# Altium PCB PCB2.PcbDoc (part 1 of 3) (continued)
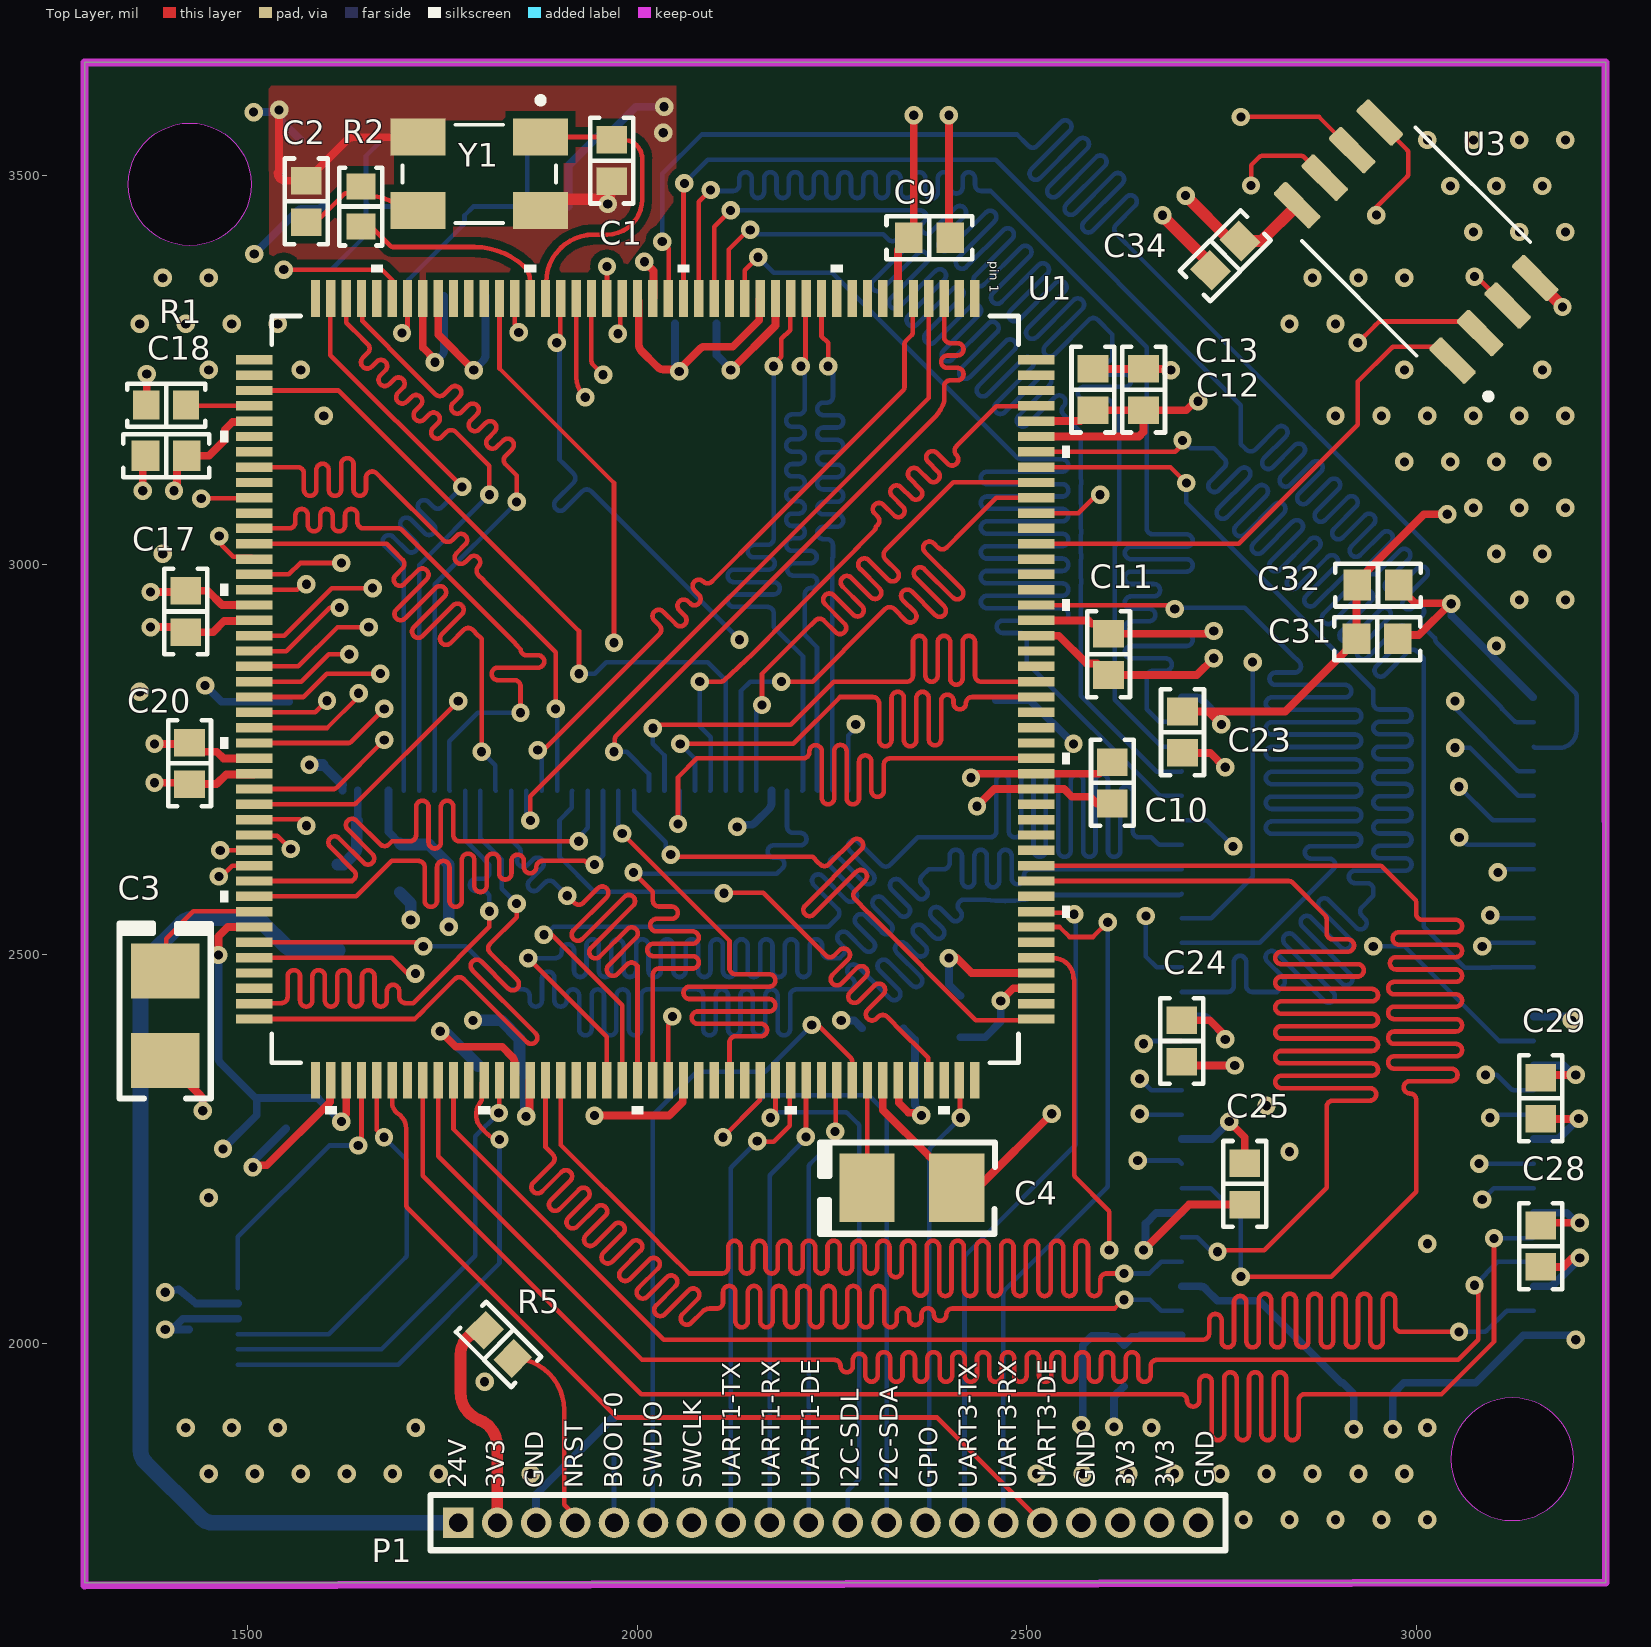
[diagram p0: Top Layer view]
## Footprints (in the part's own frame and the unit in brackets; to place one, negate y for a bottom-side part, rotate by r counter-clockwise, add the part's x,y. Pads: shape width x height; smd on the part's side, far side on the other; paste and mask are expansions set on the pad) (continued)
  rect 12x47 smd paste+0 mask+0: 45(-423.23,-501.97) 46(-403.54,-501.97) 47(-383.86,-501.97) 48(-364.17,-501.97) 49(-344.49,-501.97) 50(-324.8,-501.97) 51(-305.12,-501.97) 52(-285.43,-501.97) 53(-265.75,-501.97) 54(-246.06,-501.97) 55(-226.38,-501.97) 56(-206.69,-501.97) 57(-187.01,-501.97) 58(-167.32,-501.97) 59(-147.64,-501.97) 60(-127.95,-501.97) 61(-108.27,-501.97) 62(-88.58,-501.97) 63(-68.9,-501.97) 64(-49.21,-501.97) 65(-29.53,-501.97) 66(-9.84,-501.97) 67(9.84,-501.97) 68(29.53,-501.97) 69(49.21,-501.97) 70(68.9,-501.97) 71(88.58,-501.97) 72(108.27,-501.97) 73(127.95,-501.97) 74(147.64,-501.97) 75(167.32,-501.97) 76(187.01,-501.97) 77(206.69,-501.97) 78(226.38,-501.97) 79(246.06,-501.97) 80(265.75,-501.97) 81(285.43,-501.97) 82(305.12,-501.97) 83(324.8,-501.97) 84(344.49,-501.97) 85(364.17,-501.97) 86(383.86,-501.97) 87(403.54,-501.97) 88(423.23,-501.97) 133(423.23,501.97) 134(403.54,501.97) 135(383.86,501.97) 136(364.17,501.97) 137(344.49,501.97) 138(324.8,501.97) 139(305.12,501.97) 140(285.43,501.97) 141(265.75,501.97) 142(246.06,501.97) 143(226.38,501.97) 144(206.69,501.97) 145(187.01,501.97) 146(167.32,501.97) 147(147.64,501.97) 148(127.95,501.97) 149(108.27,501.97) 150(88.58,501.97) 151(68.9,501.97) 152(49.21,501.97) 153(29.53,501.97) 154(9.84,501.97) 155(-9.84,501.97) 156(-29.53,501.97) 157(-49.21,501.97) 158(-68.9,501.97) 159(-88.58,501.97) 160(-108.27,501.97) 161(-127.95,501.97) 162(-147.64,501.97) 163(-167.32,501.97) 164(-187.01,501.97) 165(-206.69,501.97) 166(-226.38,501.97) 167(-246.06,501.97) 168(-265.75,501.97) 169(-285.43,501.97) 170(-305.12,501.97) 171(-324.8,501.97) 172(-344.49,501.97) 173(-364.17,501.97) 174(-383.86,501.97) 175(-403.54,501.97) 176(-423.23,501.97)
  silkscreen extent -545,-545 545,545, body extent -512,-512 512,512, height 63
MHDR1X20 [mm] "Connector; Header; 20 Position"
  rect 1x1 hole 0.6: 1(0,0)
  round 1 hole 0.6: 2(1.27,0) 3(2.54,0) 4(3.81,0) 5(5.08,0) 6(6.35,0) 7(7.62,0) 8(8.89,0) 9(10.16,0) 10(11.43,0) 11(12.7,0) 12(13.97,0) 13(15.24,0) 14(16.51,0) 15(17.78,0) 16(19.05,0) 17(20.32,0) 18(21.59,0) 19(22.86,0) 20(24.13,0)
  silkscreen extent -0.9,-0.9 25.03,0.9
OSC_ABM3B-8.000MHZ-B2-T [mm]
  rect 1.2x1.8 smd: 1(-1.2,2) 2(-1.2,-2) 3(1.2,-2) 4(1.2,2)
  silkscreen extent -2.5,-2.5 1.6,2.5, body extent -1.65,-2.54 1.65,2.54, height 1.1
"RES 0603_1608" [mm] "Chip Resistor, 2-Leads, Body 1.60x0.80mm, IPC Medium Density"
  rect 0.85x0.95 smd: 1(-0.65,0) 2(0.65,0)
  silkscreen extent -1.27,-0.7 1.27,0.7, body extent -0.8,-0.4 0.8,0.4, height 0.45
"RES 0805_2012" [mm] "Chip Resistor, 2-Leads, Body 2.00x1.25mm, IPC Medium Density"
  rect 1.15x1.35 smd: 1(-0.875,0) 2(0.875,0)
  silkscreen extent -1.7,-0.9 1.7,0.9, body extent -1,-0.62 1,0.63, height 0.6
"RES 1206_3216" [mm] "Chip Resistor, 2-Leads, Body 3.13x1.55mm, IPC Medium Density"
  rect 1.2x1.65 smd: 1(-1.4,0) 2(1.4,0)
  silkscreen extent -2.3,-1.1 2.3,1.1, body extent -1.6,-0.8 1.6,0.8, height 0.6
sdram [mil]
  rect 47x20 smd paste+0 mask+0: 1(-221,409.45) 2(-221,377.95) 3(-221,346.46) 4(-221,314.96) 5(-221,283.46) 6(-221,251.97) 7(-221,220.47) 8(-221,188.98) 9(-221,157.48) 10(-221,125.98) 11(-221,94.49) 12(-221,62.99) 13(-221,31.5) 14(-221,0) 15(-221,-31.5) 16(-221,-62.99) 17(-221,-94.49) 18(-221,-125.98) 19(-221,-157.48) 20(-221,-188.98) 21(-221,-220.47) 22(-221,-251.97) 23(-221,-283.46) 24(-221,-314.96) 25(-221,-346.46) 26(-221,-377.95) 27(-221,-409.45) 28(231,-409.45) 29(231,-377.95) 30(231,-346.46) 31(231,-314.96) 32(231,-283.46) 33(231,-251.97) 34(231,-220.47) 35(231,-188.98) 36(231,-157.48) 37(231,-125.98) 38(231,-94.49) 39(231,-62.99) 40(231,-31.5) 41(231,0) 42(231,31.5) 43(231,62.99) 44(231,94.49) 45(231,125.98) 46(231,157.48) 47(231,188.98) 48(231,220.47) 49(231,251.97) 50(231,283.46) 51(231,314.96) 52(231,346.46) 53(231,377.95) 54(231,409.45)
  silkscreen extent -264,-446 274,446, body extent -231,-441 241,441, height 47
SOIC127P790X216-8N [mm]
  rrect25% 1.65x0.58 smd: 1(-3.585,1.905) 2(-3.585,0.635) 3(-3.585,-0.635) 4(-3.585,-1.905) 5(3.585,-1.905) 6(3.585,-0.635) 7(3.585,0.635) 8(3.585,1.905)
  silkscreen extent -5.33,-2.62 2.65,2.62, body extent -3.99,-2.62 3.99,2.62, height 2.16

## Part data
C1 C2: library part CC0603JRNPO0BN200, "CAP CER 20PF 100V C0G/NPO 0603", Part Number=CC0603JRNPO0BN200
C3 C4: library part T496B225M016ATE3K5, "CAP TANT 2.2UF 20% 16V 1411", Device Package="1411 (3528 Metric)", ESR (Equivalent Series Resistance)=3.5Ohm, Lifetime @ Temp.="2000 Hrs @ 85°C", Manufacturer=KEMET, Manufacturer Size Code=B, Operating Temperature="-55°C ~ 125°C", Supplier Part Number 1=399-3917-1-ND, Tolerance=±20%, Voltage - Rated=16V, Capacitance=2.2µF, ComponentLink1Description=Datasheet, ComponentLink1URL=https://api.kemet.com/component-edge/download/datasheet/T496B225M016ATE3K5.pdf, ComponentLink2Description="DigiKey Link", ComponentLink2URL=http://digikey.com/product-detail/en/kemet/T496B225M016ATE3K5/399-3917-1-ND/819242, Features="Fail Safe with Built-in Fuse", Height - Seated (Max)="0.083\" (2.10mm)", LastUpdated="9/2/2020 1:15:46 AM", Lifecycle Status=Active, Minimum Order=1, Mounting Type="Surface Mount", Package / Case="1411 (3528 Metric)", Packaging=TapeAndReel, Part Number=T496B225M016ATE3K5, Part Status=Active, PartId=12, Price=0.51, Series=T496, Size / Dimension="0.138\" L x 0.110\" W (3.50mm x 2.80mm)", Supplier 1=DigiKey, Type=Molded
C5 C7 C8 C9 C10 C11 C12 C13 C14 C16 C17 C18 C19 C20 C22 C23 C24 C25 C26 C27 C28 C29 C31 C32 C33 C34: library part 6R3X14W104MV4T, "CAP CER 0.1UF 6.3V X7R 0603", Part Number=6R3X14W104MV4T
C6 C15: library part T494A105M016AT, "CAP TANT 1UF 20% 16V 1206", Device Package="1206 (3216 Metric)", ESR (Equivalent Series Resistance)=6Ohm, Lifetime @ Temp.="2000 Hrs @ 125°C", Manufacturer=KEMET, Manufacturer Size Code=A, Operating Temperature="-55°C ~ 125°C", Supplier Part Number 1=399-8429-1-ND, Tolerance=±20%, Voltage - Rated=16V, Capacitance=1µF, ComponentLink1Description=Datasheet, ComponentLink1URL=https://api.kemet.com/component-edge/download/datasheet/T494A105M016AT.pdf, ComponentLink2Description="DigiKey Link", ComponentLink2URL=http://digikey.com/product-detail/en/kemet/T494A105M016AT/399-8429-1-ND/3472152, Features="General Purpose", Height - Seated (Max)="0.071\" (1.80mm)", LastUpdated="9/2/2020 1:15:52 AM", Lifecycle Status=Active, Minimum Order=1, Mounting Type="Surface Mount", Package / Case="1206 (3216 Metric)", Packaging=TapeAndReel, Part Number=T494A105M016AT, Part Status=Active, PartId=2393, Price=0.20, Series=T494, Size / Dimension="0.126\" L x 0.063\" W (3.20mm x 1.60mm)", Supplier 1=DigiKey, Type=Molded
C21: library part C0603C475K9PACTU, "CAP CER 4.7UF 6.3V X5R 0603", Part Number=C0603C475K9PACTU
C30: library part CL21A106MQFNNNE, "CAP CER 10UF 6.3V X5R 0805", Device Package="0805 (2012 Metric)", Manufacturer="Samsung Electro-Mechanics", Operating Temperature="-55°C ~ 85°C", Supplier Part Number 1=1276-1298-1-ND, Temperature Coefficient=X5R, Tolerance=±20%, Voltage - Rated=6.3V, Applications="General Purpose", Capacitance=10µF, ComponentLink1Description=Datasheet, ComponentLink1URL=http://www.samsungsem.com/kr/support/product-search/mlcc/CL21A106MQFNNNE.jsp, ComponentLink2Description="DigiKey Link", ComponentLink2URL=http://digikey.com/product-detail/en/samsung-electro-mechanics/CL21A106MQFNNNE/1276-1298-1-ND/3889384, LastUpdated="9/2/2020 1:04:40 AM", Lifecycle Status=Active, Minimum Order=1, Mounting Type="Surface Mount, MLCC", Package / Case="0805 (2012 Metric)", Packaging=TapeAndReel, Part Number=CL21A106MQFNNNE, Part Status=Active, PartId=3169, Price=0.02, Series=CL, Size / Dimension="0.079\" L x 0.049\" W (2.00mm x 1.25mm)", Supplier 1=DigiKey, Thickness (Max)="0.053\" (1.35mm)"
J1: library part "LCD Connector", "40 Position FFC, FPC Connector Contacts, Bottom 0.020\" (0.50mm) Surface Mount, Right Angle", Package=None, Availability=Unavailable, Digikey_Link=https://www.digikey.com/en/products/detail/amphenol-icc-fci/F305-1A7H1-11040-E100/11564644, MF="Amphenol ICC (FCI)", MP=F305-1A7H1-11040-E100, Price=None
J2: "0.5mm Side entry Flat Flexible Cable Connector", Package=None, Availability="In Stock", Check_prices=https://www.snapeda.com/parts/FFC2B35-06-G/Global+Connector+Technology/view-part/?ref=eda, MF="Global Connector Technology", MP=FFC2B35-06-G, Price=None, Purchase-URL=https://pricing.snapeda.com/search/part/FFC2B35-06-G/?ref=eda, SnapEDA_Link=https://www.snapeda.com/parts/FFC2B35-06-G/Global+Connector+Technology/view-part/?ref=snap
P1: "Header, 20-Pin", LatestRevisionDate=17-Jul-2002, LatestRevisionNote="Re-released for DXP Platform.", Publisher="Altium Limited"
R1 R5 R6: library part CRCW060310K0FKEAHP, "RES SMD 10K OHM 1% 1/4W 0603", Part Number=CRCW060310K0FKEAHP
R2: library part CRCW0603220RJNEAHP, "RES SMD 220 OHM 5% 1/4W 0603", Part Number=CRCW0603220RJNEAHP
R3: library part CRGP0805F47R, "CRGP 0805 47R 1%", Device Package="0805 (2012 Metric)", Manufacturer="TE Connectivity Passive Product", Operating Temperature="-55°C ~ 155°C", Power (Watts)="0.333W, 1/3W", Supplier Device Package=0805, Supplier Part Number 1=A130461CT-ND, Temperature Coefficient=±200ppm/°C, Tolerance=±1%, ComponentLink1Description=Datasheet, ComponentLink1URL=https://www.te.com/commerce/DocumentDelivery/DDEController?Action=srchrtrv&DocNm=9-1773463-9&DocType=DS&DocLang=English, ComponentLink2Description="DigiKey Link", ComponentLink2URL=http://digikey.com/product-detail/en/te-connectivity-passive-product/CRGP0805F47R/A130461CT-ND/8578293, Composition="Thick Film", Features="Pulse Withstanding", Height - Seated (Max)="0.026\" (0.65mm)", LastUpdated="9/2/2020 1:15:22 AM", Lifecycle Status=Active, Minimum Order=1, Number of Terminations=2, Package / Case="0805 (2012 Metric)", Packaging=TapeAndReel, Part Number=CRGP0805F47R, Part Status=Active, PartId=28763, Price=0.02, Resistance="47 Ohms", Series=CRGP, Size / Dimension="0.079\" L x 0.049\" W (2.00mm x 1.25mm)", Supplier 1=DigiKey
R4: library part CRG1206F100R, "RES SMD 100 OHM 1% 1/4W 1206", Device Package="1206 (3216 Metric)", Manufacturer="TE Connectivity Passive Product", Operating Temperature="-55°C ~ 155°C", Power (Watts)="0.25W, 1/4W", Supplier Device Package=1206, Supplier Part Number 1=A106068CT-ND, Temperature Coefficient=±200ppm/°C, Tolerance=±1%, ComponentLink1Description=Datasheet, ComponentLink1URL=https://www.te.com/commerce/DocumentDelivery/DDEController?Action=srchrtrv&DocNm=1773204&DocType=DS&DocLang=English, ComponentLink2Description="DigiKey Link", ComponentLink2URL=http://digikey.com/product-detail/en/te-connectivity-passive-product/CRG1206F100R/A106068CT-ND/3477719, Composition="Thick Film", Height - Seated (Max)="0.026\" (0.65mm)", LastUpdated="9/2/2020 1:13:10 AM", Lifecycle Status=Active, Minimum Order=1, Number of Terminations=2, Package / Case="1206 (3216 Metric)", Packaging=TapeAndReel, Part Number=CRG1206F100R, Part Status=Active, PartId=26991, Price=0.01, Resistance="100 Ohms", Series="CRG, Neohm", Size / Dimension="0.122\" L x 0.061\" W (3.10mm x 1.55mm)", Supplier 1=DigiKey
U1: "No Description Available", Built_By=EMA_Jessica, Copyright="Copyright (C) 2018 Accelerated Designs. All rights reserved", Manufacturer_Part_Number=STM32F746IGT6, RefDes=RefDes, SourceLibrary=Add_to_database_2020-10-19, Type=DEV, Vendor=STMicroelectronics
U2: "No Description AvailablSDRAM Memory IC 64Mb (4M x 16) Parallel 143 MHz 5.4 ns 54-TSOP IIe", Built_By=EMA_Cory, ComponentLink1Description="New link", ComponentLink1URL=https://www.digikey.be/en/products/detail/issi-integrated-silicon-solution-inc/IS42S16400J-7TL/2708623, Copyright="Copyright (C) 2018 Accelerated Designs. All rights reserved", Datasheet=http://www.issi.com/WW/pdf/42-45S16400J.pdf, Manufacturer_Part_Number=IS42S16400J-7TL, RefDes=RefDes, SourceLibrary=Add_to_database_2020-12-24, Type=DEV, Vendor=ISSI
U3: "128 Mbit Serial NOR Flash Memory with Dual and Quad I/O Support", Package="SOIC-8 Dialog Semiconductor", Availability=Warning, Check_prices=https://www.snapeda.com/parts/AT25SF128A-SHB-T/Dialog%20Semiconductor/view-part/5488499/?ref=eda, MF="Dialog Semiconductor", MP=AT25SF128A-SHB-T, Price=None, Purchase-URL=https://pricing.snapeda.com/search/part/AT25SF128A-SHB-T/?ref=eda, SnapEDA_Link=https://www.snapeda.com/parts/AT25SF128A-SHB-T/Dialog%20Semiconductor/view-part/5488499/?ref=snap
Y1: "8MHz Â±20ppm Crystal 18pF 200 Ohms 4-SMD, No Lead", Package="SMD-4 Abracon LLC", Availability=Good, Check_prices=https://www.snapeda.com/parts/ABM3B-8.000MHZ-B2-T/Abracon%20LLC/view-part/42698/?ref=eda, MF=Abracon, MP=ABM3B-8.000MHZ-B2-T, Price=None, Purchase-URL=https://pricing.snapeda.com/search/part/ABM3B-8.000MHZ-B2-T/?ref=eda, SnapEDA_Link=https://www.snapeda.com/parts/ABM3B-8.000MHZ-B2-T/Abracon%20LLC/view-part/42698/?ref=snap

## Via types
v1: diameter 23.62, hole 11.81, Top Layer to Bottom Layer, tented both sides, 264 vias

## Nets (pads, with @x,y where several pads share a name; then routed paths per layer and width w, separated by ;. In a path a pad name is that pad's centre, name@x,y a point inside that pad or via, vN(x,y) a via of type N, cw(c..) or ccw(c..) an arc to the next point about the centre after c; other vN are vias at no path point)
3V3: C5.2 C7.2 C8.2 C9.2 C10.2 C11.2 C12.2 C13.2 C14.2 C17.2 C18.2 C19.2 C20.2 C21.2 C23.2 C24.2 C25.2 C26.2 C27.2 C28.2 C29.2 C30.2 C31.2 C32.2 C33.1 C34.1 J1.4 J2.2 P1.2 P1.18 P1.19 R5.2 U1.6 U1.15 U1.23 U1.36 U1.49 U1.62 U1.72 U1.82 U1.91 U1.103 U1.127 U1.136 U1.149 U1.159 U1.171 U1.172 U2.1 U2.3 U2.9 U2.14 U2.27 U2.43 U2.49 U3.8 | length 5602.5
  Top Layer w10: v1(1375,2920) 1413.43,2920 C17.2@1420,2913.43 1455.03,2913.43 1469.53,2927.93 1507.38,2927.93 U1.62@1508.03,2928.58 ; v1(1380,2720) 1423.43,2720 C20.2@1425,2718.43 1459.69,2718.43 1471.99,2730.73 1507.03,2730.73 U1.72@1508.03,2731.73 ; v1(1405,3095) 1405,3098.69 1408.86,3102.54 1408.86,3127.28 C18.2@1421.57,3140 1450,3140 1470.28,3160.28 1470.28,3173.52 1480.25,3183.49 1507.03,3183.49 U1.49@1508.03,3184.49 ; v1(1462,2499) 1462,2522.76 1474.12,2534.88 U1.82@1508.03,2534.88 ; v1(1620,2285) 1620,2288.69 1626.14,2294.83 U1.91@1626.14,2338.03 ; U1.36@1744.25,3341.97 1744.25,3295.75 v1(1790,3250) ; v1(1857.08,2291.74) 1861.36,2296.02 1861.36,2337.03 U1.103@1862.36,2338.03 ; U1.23@2000.19,3341.94 2000.37,3341.63 cw(c1991.84,3336.41) 2001.84,3336.41 2001.84,3282.26 ccw(c2011.84,3282.3) 2004.77,3275.23 2026.16,3253.84 ccw(c2033.21,3260.93) 2033.21,3250.93 v1@2051.07,3250.93 ; v1@2057,3254 2080.05,3277.05 cw(c2087.14,3270) 2087.1,3280 ; 2087.14,3280 2122.45,3280 2156.64,3314.18 2156.64,3340.97 U1.15@2157.64,3341.97 ; U1.127@2334.8,2338.03 2335.52,2337.31 2335.52,2309.16 2348.3,2296.39 2361.29,2296.39 v1(2364.68,2293) ; U1.6@2334.8,3341.97 2334.8,3404.41 2348.43,3418.03 C9.2@2348.43,3420 2355,3426.57 v1(2355,3577.32) ; v1(2400,2495) 2410,2495 2429.17,2475.83 U1.136@2511.97,2475.83 ; v1(2428.42,2726.64) 2432.11,2726.64 2437.2,2731.73 U1.149@2511.97,2731.73 2593.19,2731.73 2608.03,2746.57 C10.2@2610,2746.57 ; U1.159@2511.97,2928.58 2579.17,2928.58 2583.46,2924.29 2592.28,2924.29 C11.2@2605,2911.57 2732.89,2911.57 2736.31,2915 v1(2740,2915) ; U1.171@2511.97,3164.8 2644.14,3164.8 2650,3170.66 C13.2@2650,3198.43 ; U1.172@2511.97,3184.49 2569.09,3184.49 2583.03,3198.43 C12.2@2585,3198.43 C13.2@2650,3198.43 ; C24.2@2699,2415.08 2734.92,2415.08 2755,2395 v1(2755,2390.6) ; C23.2@2700,2811.57 2733.43,2811.57 ; v1(2720,3210) 2716.31,3210 2704.74,3198.43 C13.2@2650,3198.43 ; v1(2750,2795) 2733.43,2811.57 ; v1(2760,2285) 2780,2265 C25.2@2780,2231.57 ; v1(3040,3065) 3010,3065 2923.43,2978.43 C31.2@2923.43,2905 2923.43,2903.03 2831.97,2811.57 2733.43,2811.57 ; C28.2@3160,2151.57 3163.43,2155 v1(3210,2155) ; C29.2@3160,2341.57 3163.43,2345 v1(3205,2345)
  Top Layer w15: R5.2@1803.9,2017.1 ccw(c1803.9,1986.19) 1773,1986.19 1773,1936.89 1773,1936.81 ccw(c1810.25,1936.81) 1797.13,1901.95 cw(c1784.48,1868.76) 1820,1868.76 P1.2@1820,1770 ; v1(2704,3474) 2762.21,3415.79 C34.1@2773.79,3415.79 2775.18,3414.4 2789.63,3414.4 2791.02,3415.79 2801.19,3415.79 U3.8@2847.16,3461.77
  Bottom Layer w10: v1(1393.81,2065.78) 1410.84,2069.7 1433.16,2051.53 J2.2@1487.05,2051.53 ; v1(1462,2499) 1462,2367.14 ccw(c1472,2367.14) 1464.93,2360.07 C19.2@1511.21,2313.79 ; v1(1468,2250) 1511.21,2293.21 C19.2@1511.21,2313.79 ; v1(1620,2285) 1589.82,2315.18 1512.6,2315.18 C19.2@1511.21,2313.79 ; J1.4@1680.35,2710 1680.35,2657.14 C30.2@1695,2642.5 ; v1(1790,3250) 1802.07,3262.07 ccw(c1795,3269.14) 1805,3269.14 C26.2@1805,3345 ; C14.2@2048.43,3310 2048.43,3253.57 v1(2053.71,3248.29) ; C7.2@2341.57,2405 2356.33,2390.25 2356.33,2306.14 2364.68,2297.79 v1(2364.68,2293) ; v1(2400,2495) 2400,2461.33 2414.75,2446.57 C8.2@2415,2446.57 ; v1(2570,1895) 2570,1897.33 2571.87,1899.2 2571.87,1997.93 2583.72,2009.78 2604.03,2009.78 2605.44,2008.37 2614.78,2008.37 C5.2@2625,1998.15 2635.22,2008.37 2644.56,2008.37 2646.74,2010.55 U2.1@2699,2010.55 ; U2.3@2699,2073.54 ccw(c2699.33,2083.54) 2699.33,2073.54 2722.28,2073.54 cw(c2722.32,2063.54) 2729.39,2070.61 2745,2055 2798.43,2055 2903.74,1949.69 2905.71,1949.69 2918.43,1936.97 C27.2@2918.43,1935 2920,1933.43 v1(2920,1890) ; U2.9@2699,2262.52 2737.52,2262.52 v1(2760,2285) ; U2.14@2699,2420 2725.86,2420 cw(c2725.86,2410) 2732.93,2417.07 2755,2395 v1(2755,2390.6) ; U2.27@2699,2829.45 2718.07,2829.45 cw(c2718.07,2819.45) 2725.15,2826.52 v1@2747.39,2804.27 ; U2.49@3151,2168.03 3193.28,2168.03 3206.31,2155 v1(3210,2155) ; U2.43@3151,2357.01 3189.5,2357.01 3201.51,2345 v1(3205,2345)
  Bottom Layer w15: C30.2@1695,2642.5 1696.73,2640.77 1732.4,2640.77 1758,2615.17 v1(1758,2535) ; v1(1789,2415) 1825,2415 1848.57,2391.43 C21.2@1848.57,2356 1852.69,2351.89 cw(c1842.08,2341.28) 1857.08,2341.28 1857.08,2304.84 v1(1857.08,2291.74)
24V0: P1.1 R4.1 | length 1365.1
  Bottom Layer w20: R4.1@1615,2504.88 1562.4,2504.88 cw(c1562.4,2524.88) 1548.26,2510.74 1518.86,2540.14 ccw(c1504.72,2526) 1504.72,2546 1429.28,2546 ccw(c1429.28,2526) 1415.14,2540.14 1367.86,2492.86 ccw(c1382,2478.72) 1362,2478.72 1362,1862.28 ccw(c1382,1862.28) 1367.86,1848.14 1440.14,1775.86 ccw(c1454.28,1790) 1454.28,1770 P1.1@1770,1770
A0: U1.16 U2.23 | length 2478
  Top Layer w5.93: U1.16@2137.95,3341.97 2137.95,3377.95 v1(2155,3395)
  Bottom Layer w5.93: v1(2155,3395) 2175,3375 2250,3375 2482.63,3142.37 2485.6,3139.4 2485.63,3139.37 ccw(c2495.21,3149.02) 2495.21,3135.42 2545.56,3135.42 cw(c2545.56,3127.46) 2545.56,3119.49 2448.96,3119.49 ccw(c2448.96,3111.53) 2448.96,3103.57 2545.56,3103.57 cw(c2545.56,3095.6) 2545.56,3087.64 2448.96,3087.64 ccw(c2448.96,3079.67) 2448.96,3071.71 2545.56,3071.71 cw(c2545.56,3063.75) 2545.56,3055.78 2448.96,3055.78 ccw(c2448.96,3047.82) 2448.96,3039.86 2545.56,3039.86 cw(c2545.56,3031.89) 2545.56,3023.93 2448.96,3023.93 ccw(c2448.96,3015.96) 2448.96,3008 2545.56,3008 cw(c2545.56,3000.04) 2545.56,2992.07 2448.96,2992.07 ccw(c2448.96,2984.11) 2448.96,2976.14 2545.56,2976.14 cw(c2545.56,2968.18) 2545.56,2960.22 2448.96,2960.22 ccw(c2448.96,2952.25) 2448.96,2944.29 2545.56,2944.29 cw(c2545.56,2936.32) 2545.56,2928.36 2469.42,2928.36 ccw(c2469.42,2920.4) 2469.42,2912.43 2492.04,2912.43 cw(c2492.04,2904.47) 2500,2904.47 2500,2880 2500,2874.35 2669.15,2705.2 ccw(c2673.34,2709.39) 2673.34,2703.46 U2.23@2699,2703.46
A1: U1.17 U2.24 | length 2479.2
  Top Layer w5.93: U1.17@2118.27,3341.97 2117.55,3342.69 2117.55,3404.89 2142.66,3430 v1(2145,3430)
  Bottom Layer w5.93: v1(2145,3430) 2145.72,3429.28 2149.24,3429.28 2154.28,3424.24 2195.24,3424.24 2195.28,3424.28 2315.72,3424.28 2320,3420 2322.1,3417.9 ccw(c2327.73,3423.54) 2333.36,3417.9 2337.71,3422.25 cw(c2343.34,3416.62) 2348.97,3422.25 cw(c2343.34,3416.62) 2348.97,3410.99 2302.9,3364.92 ccw(c2308.53,3359.29) 2302.9,3353.66 ccw(c2308.53,3359.29) 2314.16,3353.66 2360.23,3399.73 cw(c2365.87,3394.1) 2371.5,3399.73 cw(c2365.87,3394.1) 2371.5,3388.47 2325.43,3342.4 ccw(c2331.06,3336.77) 2325.43,3331.13 ccw(c2331.06,3336.77) 2336.69,3331.13 2382.76,3377.2 cw(c2388.39,3371.57) 2394.02,3377.2 cw(c2388.39,3371.57) 2394.02,3365.94 2347.95,3319.87 ccw(c2353.58,3314.24) 2347.95,3308.61 ccw(c2353.58,3314.24) 2359.22,3308.61 2405.29,3354.68 cw(c2410.92,3349.05) 2416.55,3354.68 cw(c2410.92,3349.05) 2416.55,3343.42 2370.48,3297.35 ccw(c2376.11,3291.71) 2370.48,3286.08 ccw(c2376.11,3291.71) 2381.74,3286.08 2427.81,3332.15 cw(c2433.44,3326.52) 2439.07,3332.15 cw(c2433.44,3326.52) 2439.07,3320.89 2393,3274.82 ccw(c2398.63,3269.19) 2393,3263.56 ccw(c2398.63,3269.19) 2404.27,3263.56 2450.34,3309.63 cw(c2455.97,3304) 2461.6,3309.63 cw(c2455.97,3304) 2461.6,3298.37 2415.53,3252.3 ccw(c2421.16,3246.66) 2415.53,3241.03 ccw(c2421.16,3246.66) 2426.79,3241.03 2472.86,3287.1 cw(c2478.49,3281.47) 2484.12,3287.1 cw(c2478.49,3281.47) 2484.12,3275.84 2438.05,3229.77 ccw(c2443.69,3224.14) 2438.05,3218.51 ccw(c2443.69,3224.14) 2449.32,3218.51 2495.39,3264.58 cw(c2501.02,3258.95) 2506.65,3264.58 cw(c2501.02,3258.95) 2506.65,3253.31 2460.58,3207.24 ccw(c2466.21,3201.61) 2460.58,3195.98 ccw(c2466.21,3201.61) 2471.84,3195.98 2517.91,3242.05 cw(c2523.54,3236.42) 2529.17,3242.05 cw(c2523.54,3236.42) 2529.17,3230.79 2489.44,3191.06 ccw(c2495.07,3185.42) 2489.44,3179.79 ccw(c2495.07,3185.42) 2500.7,3179.79 2536.09,3215.18 cw(c2541.72,3209.55) 2547.35,3215.18 cw(c2541.72,3209.55) 2547.35,3203.91 ccw(c2552.98,3198.28) 2547.35,3192.65 2561.62,3178.38 2563.71,3176.29 2569.45,3170.55 2569.45,3111.18 cw(c2546.11,3106.11) 2569.45,3101.03 2569.45,3079.33 cw(c2546.11,3074.25) 2569.45,3069.18 2569.45,3047.47 cw(c2546.11,3042.4) 2569.45,3037.32 2569.45,3015.62 cw(c2546.11,3010.54) 2569.45,3005.47 2569.45,2983.76 cw(c2546.11,2978.69) 2569.45,2973.61 2569.45,2951.9 cw(c2546.11,2946.83) 2569.45,2941.75 2569.45,2831.68 2666.9,2734.24 2698.28,2734.24 U2.24@2699,2734.96
A2: U1.18 U2.25 | length 2483.8
  Top Layer w5.93: U1.18@2098.58,3341.97 2098.58,3433.81 v1(2119.77,3455)
  Bottom Layer w5.93: v1(2119.77,3455) 2350.14,3455 2363.26,3455 cw(c2363.26,3447.04) 2368.89,3441.4 2366.25,3438.76 ccw(c2371.88,3433.13) 2366.25,3427.5 ccw(c2371.88,3433.13) 2377.51,3427.5 2408.46,3458.44 cw(c2414.09,3452.81) 2419.72,3458.44 cw(c2414.09,3452.81) 2419.72,3447.18 2388.78,3416.24 ccw(c2394.41,3410.61) 2388.78,3404.97 ccw(c2394.41,3410.61) 2400.04,3404.97 2447.4,3452.33 cw(c2453.03,3446.7) 2458.66,3452.33 cw(c2453.03,3446.7) 2458.66,3441.07 2411.3,3393.71 ccw(c2416.93,3388.08) 2411.3,3382.45 ccw(c2416.93,3388.08) 2422.57,3382.45 2469.92,3429.81 cw(c2475.55,3424.17) 2481.18,3429.81 cw(c2475.55,3424.17) 2481.19,3418.54 2433.83,3371.19 ccw(c2439.46,3365.55) 2433.83,3359.92 ccw(c2439.46,3365.55) 2445.09,3359.92 2492.45,3407.28 cw(c2498.08,3401.65) 2503.71,3407.28 cw(c2498.08,3401.65) 2503.71,3396.02 2456.35,3348.66 ccw(c2461.98,3343.03) 2456.35,3337.4 ccw(c2461.98,3343.03) 2467.62,3337.4 2514.97,3384.76 cw(c2520.6,3379.12) 2526.24,3384.76 cw(c2520.6,3379.12) 2526.24,3373.49 2478.88,3326.14 ccw(c2484.51,3320.5) 2478.88,3314.87 ccw(c2484.51,3320.5) 2490.14,3314.87 2537.5,3362.23 cw(c2543.13,3356.6) 2548.76,3362.23 cw(c2543.13,3356.6) 2548.76,3350.97 2501.4,3303.61 ccw(c2507.04,3297.98) 2501.4,3292.35 ccw(c2507.04,3297.98) 2512.67,3292.35 2560.02,3339.7 cw(c2565.66,3334.07) 2571.29,3339.7 cw(c2565.65,3334.07) 2571.29,3328.44 2523.93,3281.09 ccw(c2529.56,3275.45) 2523.93,3269.82 ccw(c2529.56,3275.45) 2535.19,3269.82 2579.89,3314.52 cw(c2585.52,3308.89) 2591.15,3314.52 2610,3295.68 2610,3283.92 2610,3268.23 cw(c2602.04,3268.23) 2602.04,3260.27 ccw(c2602.04,3252.31) 2602.04,3244.34 2626.04,3244.34 cw(c2626.04,3236.38) 2626.04,3228.41 2573.57,3228.41 ccw(c2573.57,3220.45) 2573.57,3212.49 2602.04,3212.49 cw(c2602.04,3204.52) 2610,3204.52 2610,3201.56 2619,3192.55 2619,3029.84 2613,3023.83 2613,2826.84 2671.65,2768.19 ccw(c2675.84,2772.38) 2675.84,2766.46 U2.25@2699,2766.46
A3: U1.19 U2.26 | length 2478.1
  Top Layer w5.93: U1.19@2078.9,3341.97 2078.9,3466.16 v1(2094,3481.25)
  Bottom Layer w5.93: v1(2094,3481.25) 2095.25,3480 2120,3480 2122.96,3480 ccw(c2122.96,3487.96) 2130.93,3487.96 2130.93,3496.11 cw(c2138.89,3496.11) 2146.86,3496.11 2146.86,3478.89 ccw(c2154.82,3478.89) 2162.78,3478.89 2162.78,3496.11 cw(c2170.75,3496.11) 2178.71,3496.11 2178.71,3478.89 ccw(c2186.68,3478.89) 2194.64,3478.89 2194.64,3496.11 cw(c2202.6,3496.11) 2210.57,3496.11 2210.57,3478.89 ccw(c2218.53,3478.89) 2226.5,3478.89 2226.5,3496.11 cw(c2234.46,3496.11) 2242.42,3496.11 2242.42,3478.89 ccw(c2250.39,3478.89) 2258.35,3478.89 2258.35,3496.11 cw(c2266.31,3496.11) 2274.28,3496.11 2274.28,3478.89 ccw(c2282.24,3478.89) 2290.21,3478.89 2290.21,3496.11 cw(c2298.17,3496.11) 2306.13,3496.11 2306.13,3478.89 ccw(c2314.1,3478.89) 2322.06,3478.89 2322.06,3496.11 cw(c2330.03,3496.11) 2337.99,3496.11 2337.99,3478.89 ccw(c2345.95,3478.89) 2353.92,3478.89 2353.92,3496.11 cw(c2361.88,3496.11) 2369.85,3496.11 2369.85,3478.23 ccw(c2377.81,3478.23) 2385.77,3478.23 2385.77,3496.11 cw(c2393.74,3496.11) 2401.7,3496.11 2401.7,3484.67 ccw(c2409.66,3484.67) 2417.63,3484.67 2417.63,3496.11 cw(c2425.59,3496.11) 2433.56,3496.11 2433.56,3487.96 ccw(c2441.52,3487.96) 2441.52,3480 2453.52,3480 2654.06,3279.46 2654.06,3050 2654.06,3047.04 ccw(c2662.02,3047.04) 2662.02,3039.07 2705.09,3039.07 cw(c2705.09,3031.11) 2705.09,3023.14 2633.89,3023.14 ccw(c2633.89,3015.18) 2633.89,3007.22 2705.09,3007.22 cw(c2705.09,2999.25) 2705.09,2991.29 2633.89,2991.29 ccw(c2633.89,2983.32) 2633.89,2975.36 2663.25,2975.36 cw(c2663.25,2967.4) 2663.25,2959.43 2633.89,2959.43 ccw(c2633.89,2951.47) 2633.89,2943.5 2657.26,2943.5 cw(c2657.26,2935.54) 2657.26,2927.58 2633.89,2927.58 ccw(c2633.89,2919.61) 2633.89,2911.65 2705.09,2911.65 cw(c2705.09,2903.69) 2705.09,2895.72 2633.89,2895.72 ccw(c2633.89,2887.76) 2633.89,2879.79 2678.27,2879.79 cw(c2678.27,2871.83) 2678.27,2863.87 2662.02,2863.87 ccw(c2662.02,2855.9) 2654.06,2855.9 2654.06,2825 2654.06,2814.38 2670.08,2798.35 2698.6,2798.35 U2.26@2699,2797.95
A4: U1.20 U2.29 | length 2481.1
  Top Layer w5.93: U1.20@2059.21,3341.97 2059.21,3488.57 v1(2060.37,3489.73)
  Bottom Layer w5.93: v1(2060.37,3489.73) 2090.64,3520 2460,3520 2775,3205 2775,3155 2780,3150 2782.1,3147.9 ccw(c2787.73,3153.54) 2793.36,3147.9 2821.32,3175.86 cw(c2826.95,3170.23) 2832.58,3175.86 cw(c2826.95,3170.23) 2832.58,3164.6 2804.51,3136.53 ccw(c2810.15,3130.9) 2804.51,3125.27 ccw(c2810.15,3130.9) 2815.78,3125.27 2843.84,3153.34 cw(c2849.47,3147.7) 2855.1,3153.34 cw(c2849.47,3147.7) 2855.1,3142.07 2826.96,3113.93 ccw(c2832.59,3108.3) 2826.96,3102.67 ccw(c2832.59,3108.3) 2838.22,3102.67 2866.37,3130.81 cw(c2872,3125.18) 2877.63,3130.81 cw(c2872,3125.18) 2877.63,3119.55 2849.44,3091.36 ccw(c2855.07,3085.73) 2849.44,3080.1 ccw(c2855.07,3085.73) 2860.7,3080.1 2888.89,3108.28 cw(c2894.52,3102.65) 2900.15,3108.28 cw(c2894.52,3102.65) 2900.15,3097.02 2871.95,3068.82 ccw(c2877.58,3063.19) 2871.95,3057.56 ccw(c2877.58,3063.19) 2883.22,3057.56 2911.42,3085.76 cw(c2917.05,3080.13) 2922.68,3085.76 cw(c2917.05,3080.13) 2922.68,3074.5 2894.5,3046.32 ccw(c2900.13,3040.68) 2894.5,3035.05 ccw(c2900.13,3040.68) 2905.76,3035.05 2933.94,3063.23 cw(c2939.57,3057.6) 2945.2,3063.23 cw(c2939.57,3057.6) 2945.2,3051.97 2917.05,3023.81 ccw(c2922.68,3018.18) 2917.05,3012.55 ccw(c2922.68,3018.18) 2928.31,3012.55 2956.47,3040.71 cw(c2962.1,3035.08) 2967.73,3040.71 cw(c2962.1,3035.08) 2967.73,3029.45 2939.6,3001.31 ccw(c2945.23,2995.68) 2939.6,2990.05 ccw(c2945.23,2995.68) 2950.86,2990.05 2978.99,3018.18 cw(c2984.62,3012.55) 2990.26,3018.18 cw(c2984.62,3012.55) 2990.26,3006.92 2962.14,2978.81 ccw(c2967.77,2973.18) 2962.14,2967.54 ccw(c2967.77,2973.18) 2973.4,2967.54 3001.52,2995.66 cw(c3007.15,2990.03) 3012.78,2995.66 cw(c3007.15,2990.03) 3012.78,2984.4 2984.69,2956.3 ccw(c2990.32,2950.67) 2984.69,2945.04 ccw(c2990.32,2950.67) 2995.95,2945.04 2996.53,2945.61 cw(c3002.16,2939.98) 3007.79,2945.62 cw(c3002.16,2939.98) 3007.79,2934.35 3007.35,2933.91 ccw(c3012.98,2928.28) 3007.35,2922.65 3010,2920 3022.19,2907.81 3024.29,2905.71 3024.29,2904.92 ccw(c3030.22,2904.92) 3026.08,2900.68 3107.61,2819.14 cw(c3103.45,2814.93) 3108.46,2818.08 ; 3108.48,2818.07 3110.06,2815.53 ccw(c3115.09,2818.66) 3110.87,2814.5 3125.68,2799.69 ccw(c3129.87,2803.88) 3129.87,2797.95 U2.29@3151,2797.95
A5: U1.21 U2.30 | length 2487.6
  Top Layer w5.93: v1(2032,3415) 2040.5,3406.5 2040.5,3342.94 U1.21@2039.53,3341.97
  Bottom Layer w5.93: v1(2032,3415) 2032,3502 2082.54,3552.54 2487.46,3552.54 2500,3540 2502.1,3537.9 ccw(c2507.73,3543.54) 2513.36,3537.9 2543.82,3568.36 cw(c2549.45,3562.73) 2555.08,3568.36 cw(c2549.45,3562.73) 2555.08,3557.1 2505.88,3507.9 ccw(c2511.52,3502.27) 2505.88,3496.64 ccw(c2511.52,3502.27) 2517.15,3496.64 2566.34,3545.84 cw(c2571.97,3540.2) 2577.6,3545.84 cw(c2571.97,3540.2) 2577.6,3534.57 2528.41,3485.38 ccw(c2534.04,3479.75) 2528.41,3474.12 ccw(c2534.04,3479.75) 2539.67,3474.12 2588.87,3523.31 cw(c2594.5,3517.68) 2600.13,3523.31 cw(c2594.5,3517.68) 2600.13,3512.05 2550.93,3462.85 ccw(c2556.57,3457.22) 2550.93,3451.59 ccw(c2556.57,3457.22) 2562.2,3451.59 2611.39,3500.78 cw(c2617.02,3495.15) 2622.65,3500.78 cw(c2617.02,3495.15) 2622.65,3489.52 2573.46,3440.33 ccw(c2579.09,3434.7) 2573.46,3429.07 ccw(c2579.09,3434.7) 2584.72,3429.07 2627.75,3472.1 cw(c2633.38,3466.46) 2639.02,3472.1 cw(c2633.38,3466.46) 2639.02,3460.83 2614.72,3436.54 ccw(c2620.35,3430.91) 2614.72,3425.28 2625.4,3414.6 2627.5,3412.5 3107.5,2932.5 3204.26,2835.74 cw(c3200.07,2831.54) 3206,2831.54 3206,2787 cw(c3184,2787) 3184,2765 3152.46,2765 U2.30@3151,2766.46
A6: U1.60 U2.31 | length 2154.8
  Top Layer w5.93: U1.60@1508.03,2967.95 1563.16,2967.95 1570.21,2975 v1(1575,2975)
  Layer 3 w5.78: v1(1575,2975) 1630.07,2975 1689.28,3034.22 2515.78,3034.22 2725,2825 2755,2825 2757.89,2825 ccw(c2757.89,2832.89) 2765.78,2832.89 2765.78,2842.41 cw(c2773.67,2842.41) 2781.56,2842.41 2781.56,2788.67 ccw(c2789.45,2788.67) 2797.35,2788.67 2797.35,2842.41 cw(c2805.24,2842.41) 2813.13,2842.41 2813.13,2788.67 ccw(c2821.02,2788.67) 2828.91,2788.67 2828.91,2876.01 cw(c2836.8,2876.01) 2844.69,2876.01 2844.69,2832.89 ccw(c2852.58,2832.89) 2852.58,2825 2925,2825 v1(3050,2825)
  Bottom Layer w5.93: v1(3050,2825) 3050,2815.62 3128.89,2736.74 ccw(c3133.08,2740.93) 3133.08,2735 3150.32,2735 cw(c3150.32,2729.07) 3150.56,2734.99 U2.31@3151,2734.96
A7: U1.63 U2.32 | length 2165.9
  Top Layer w5.93: U1.63@1508.03,2908.9 1546.39,2908.9 1607.5,2970 v1(1660,2970)
  Layer 3 w5.78: v1(1660,2970) 1705.31,3015.31 cw(c1709.39,3011.22) 1709.39,3017 2430.61,3017 cw(c2430.61,3011.22) 2434.69,3015.31 2542.5,2907.5 2544.54,2905.46 ccw(c2550.12,2911.04) 2555.7,2905.46 2583.39,2933.14 cw(c2588.96,2927.56) 2594.54,2933.14 cw(c2588.96,2927.56) 2594.54,2921.98 2538.02,2865.46 ccw(c2543.6,2859.88) 2538.02,2854.3 ccw(c2543.6,2859.88) 2549.18,2854.3 2605.7,2910.82 cw(c2611.28,2905.24) 2616.86,2910.82 cw(c2611.28,2905.24) 2616.86,2899.66 2560.34,2843.14 ccw(c2565.92,2837.56) 2560.34,2831.98 ccw(c2565.92,2837.56) 2571.5,2831.98 2589.18,2849.66 cw(c2594.76,2844.08) 2600.34,2849.66 2650,2800 2685,2765 v1(3050,2765)
  Bottom Layer w5.93: v1(3050,2765) 3069.13,2765 3128.93,2705.2 ccw(c3133.12,2709.39) 3133.12,2703.46 U2.32@3151,2703.46
A8: U1.64 U2.33 | length 2159.3
  Top Layer w5.93: U1.64@1508.03,2889.21 1549.28,2889.21 1605.07,2945 v1(1617.53,2945)
  Layer 3 w5.78: v1(1617.53,2945) 1617.83,2945.3 1670.23,2945.3 1721.5,2996.56 2373.44,2996.56 2390,2980 2392.04,2977.96 ccw(c2397.62,2983.54) 2403.2,2977.96 2416.23,2990.98 cw(c2421.81,2985.4) 2427.39,2990.98 cw(c2421.81,2985.4) 2427.39,2979.82 2380.52,2932.96 ccw(c2386.1,2927.38) 2380.52,2921.8 ccw(c2386.1,2927.38) 2391.68,2921.8 2443.2,2973.32 cw(c2448.78,2967.74) 2454.36,2973.32 cw(c2448.78,2967.74) 2454.36,2962.16 2402.84,2910.64 ccw(c2408.42,2905.06) 2402.84,2899.48 ccw(c2408.42,2905.06) 2414,2899.48 2449.71,2935.19 cw(c2455.29,2929.61) 2460.87,2935.19 cw(c2455.29,2929.61) 2460.87,2924.03 2459,2922.16 ccw(c2464.58,2916.58) 2459,2911 2482.5,2887.5 2655,2715 v1(3055,2715)
  Bottom Layer w5.93: v1(3055,2715) 3096.3,2673.7 ccw(c3100.49,2677.9) 3100.49,2671.97 U2.33@3151,2671.97
A9: U1.65 U2.34 | length 2155.6
  Top Layer w5.93: U1.65@1508.03,2869.53 1564.53,2869.53 1615,2920 v1(1655,2920)
  Layer 3 w5.78: v1(1655,2920) 1673.64,2920 ccw(c1673.64,2925.78) 1677.73,2921.69 1727.35,2971.31 cw(c1731.43,2967.22) 1731.43,2973 2304.61,2973 cw(c2304.61,2967.22) 2308.69,2971.31 2422.5,2857.5 2424.54,2855.46 ccw(c2430.12,2861.04) 2435.7,2855.46 2458.39,2878.14 cw(c2463.96,2872.56) 2469.54,2878.14 cw(c2463.96,2872.56) 2469.54,2866.98 2413.02,2810.46 ccw(c2418.6,2804.88) 2413.02,2799.3 ccw(c2418.6,2804.88) 2424.18,2799.3 2480.7,2855.82 cw(c2486.28,2850.24) 2491.86,2855.82 cw(c2486.28,2850.24) 2491.86,2844.66 2440.99,2793.79 ccw(c2446.57,2788.21) 2440.99,2782.63 ccw(c2446.57,2788.21) 2452.15,2782.63 2469.18,2799.66 cw(c2474.76,2794.08) 2480.34,2799.66 2490,2790 2605,2675 3030.23,2675 v1(3055.23,2650)
  Bottom Layer w5.93: v1(3055.23,2650) 3063.02,2642.21 ccw(c3067.22,2646.4) 3067.22,2640.47 U2.34@3151,2640.47
A10: U1.66 U2.22 | length 2116.8
  Top Layer w5.93: U1.66@1508.03,2849.84 1568.35,2849.84 1603.5,2885 v1(1630,2885)
  Layer 3 w5.78: v1(1630,2885) 1674.61,2885 ccw(c1674.61,2890.78) 1678.69,2886.69 1739.31,2947.31 cw(c1743.39,2943.22) 1743.35,2949 ; 1743.39,2949 2238.57,2949 cw(c2238.6,2943.22) 2242.69,2947.31 2255,2935 2257.04,2932.96 ccw(c2262.62,2938.54) 2268.2,2932.96 2289.89,2954.64 cw(c2295.47,2949.06) 2301.05,2954.64 cw(c2295.47,2949.06) 2301.05,2943.48 2258.52,2900.96 ccw(c2264.1,2895.38) 2258.52,2889.8 ccw(c2264.1,2895.38) 2269.68,2889.8 2312.22,2932.34 cw(c2317.8,2926.76) 2323.38,2932.34 cw(c2317.8,2926.76) 2323.38,2921.18 2280.84,2878.64 ccw(c2286.42,2873.06) 2280.84,2867.48 ccw(c2286.42,2873.06) 2292,2867.48 2334.54,2910.02 cw(c2340.12,2904.44) 2345.7,2910.02 cw(c2340.12,2904.44) 2345.7,2898.86 2303.16,2856.32 ccw(c2308.74,2850.74) 2303.16,2845.16 ccw(c2308.74,2850.74) 2314.32,2845.16 2356.86,2887.7 cw(c2362.44,2882.12) 2368.02,2887.7 cw(c2362.44,2882.12) 2368.02,2876.54 2325.48,2834 ccw(c2331.06,2828.42) 2325.48,2822.84 ccw(c2331.06,2828.42) 2336.64,2822.84 2367.64,2853.85 cw(c2373.22,2848.27) 2378.8,2853.85 cw(c2373.22,2848.27) 2378.8,2842.69 2368.64,2832.52 ccw(c2374.22,2826.94) 2368.64,2821.36 2460,2730 2565,2625 2749.43,2625 2762.83,2638.4 v1(2765,2638.4)
  Bottom Layer w5.93: U2.22@2699,2671.97 2728.97,2671.97 cw(c2728.97,2666.04) 2733.16,2670.23 v1(2765,2638.4)
A11: U1.67 U2.35 | length 2164.5
  Top Layer w5.93: U1.67@1508.03,2830.16 1571.19,2830.16 1601.25,2860.23 1662.77,2860.23 v1(1670,2860.3)
  Layer 3 w5.78: v1(1670,2860.3) 1675.68,2865 1685,2865 1750,2930 2190,2930 2325.06,2794.94 2325.06,2774.94 2327.1,2772.9 ccw(c2332.68,2778.48) 2338.26,2772.9 2363.06,2797.7 cw(c2368.64,2792.12) 2374.22,2797.7 cw(c2368.64,2792.12) 2374.22,2786.54 2291.31,2703.62 ccw(c2296.89,2698.04) 2291.31,2692.47 ccw(c2296.89,2698.04) 2302.47,2692.47 2378.08,2768.08 cw(c2383.66,2762.5) 2389.24,2768.08 cw(c2383.66,2762.5) 2389.24,2756.92 2367.35,2735.03 ccw(c2372.93,2729.45) 2367.35,2723.87 2378.17,2713.05 2490.92,2600.3 3100.3,2600.3 v1(3105,2605)
  Bottom Layer w5.93: v1(3105,2605) 3107.24,2607.24 cw(c3111.43,2603.05) 3111.43,2608.98 U2.35@3151,2608.98